# KiCad board testhologram v2.kicad_pcb (continued)
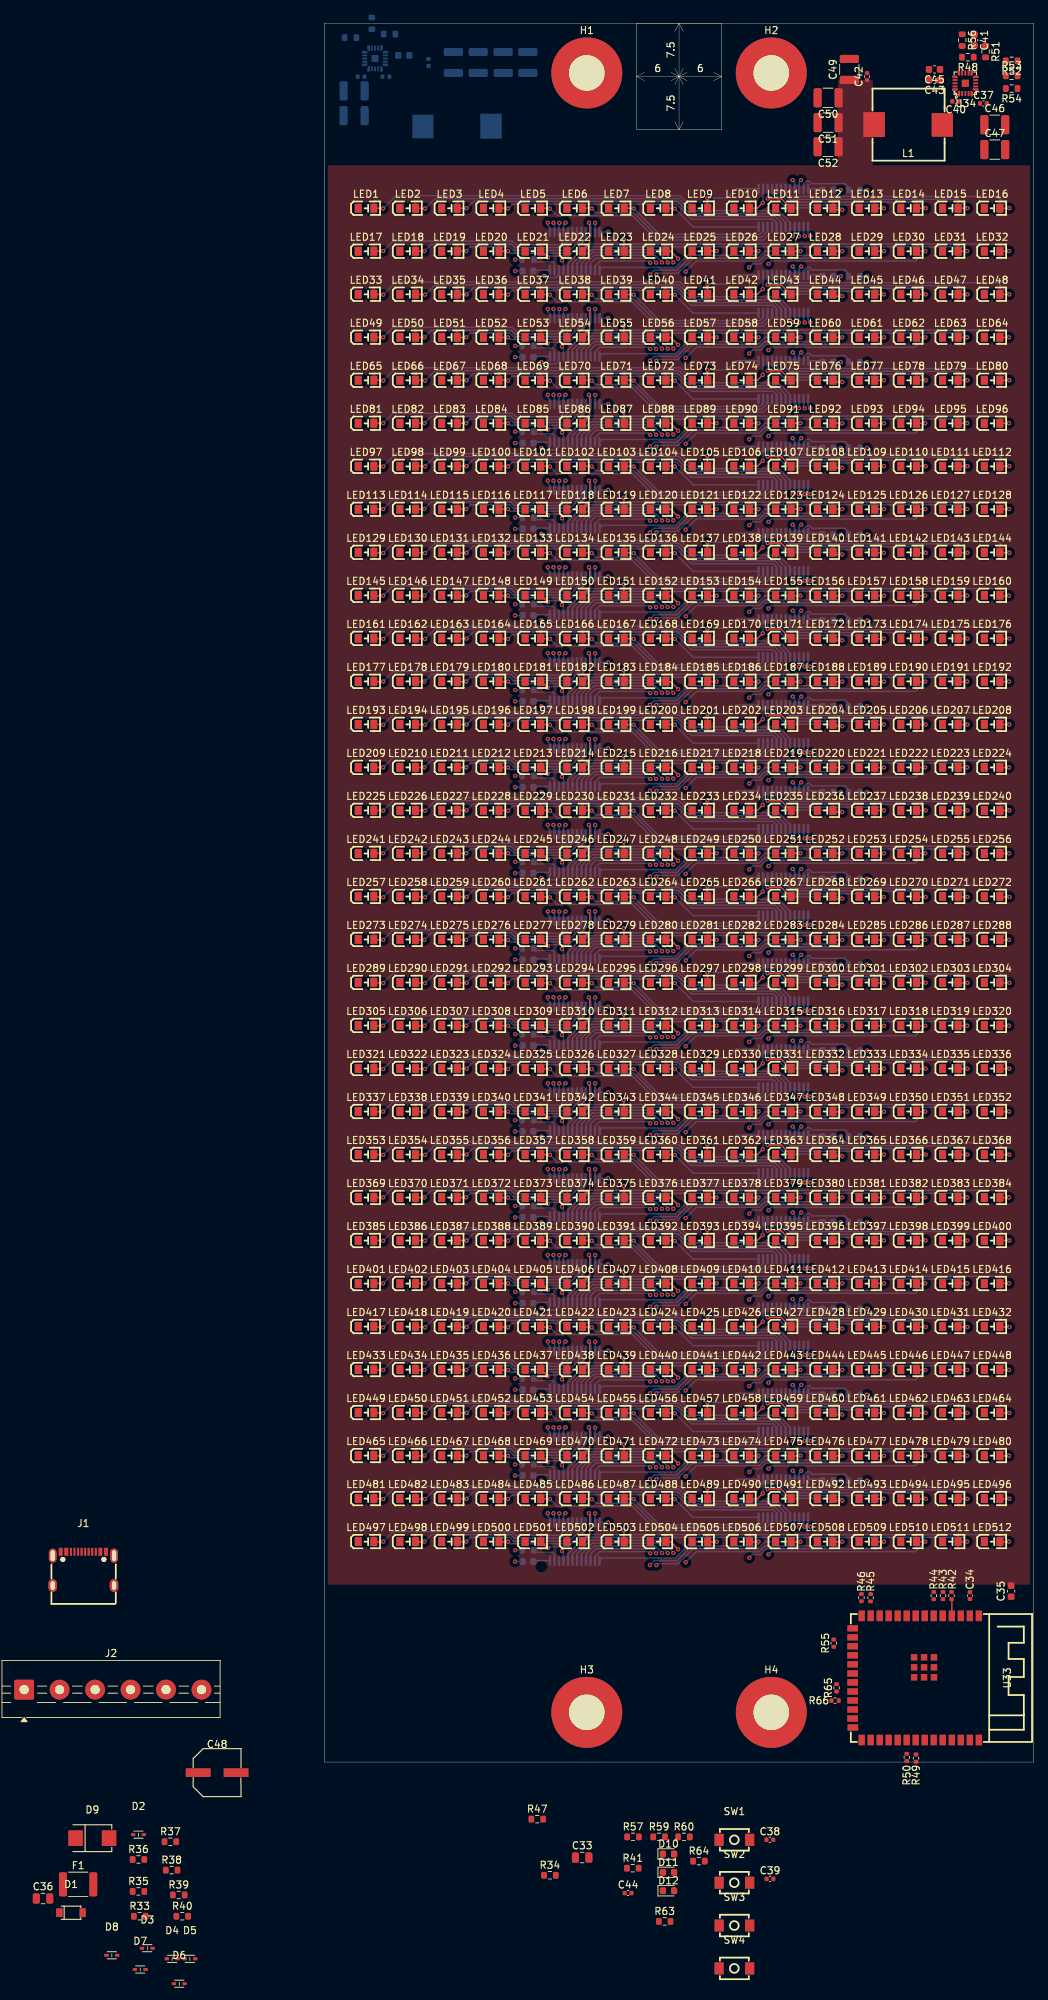
[diagram p0: board, top side]
## Routing (per net, layer and track width the routed paths; a pad name or vN(x,y) marks a point on that pad's centre or on a via; arc(x,y) is an arc through that point) (continued)
LE: length 45.8
  Bottom w0.2: U19.4 66.29,106.14 v1(66,105.85) ; v1(66,190.75) 66.29,191.04 U5.4 ; U18.4 33.71,119.56 v1(34,119.85) ; U32.4 33.71,34.76 v1(34,35.05) ; U9.4 66.29,166.74 v1(66,166.45) ; U13.4 66.29,142.54 v1(66,142.25) ; U7.4 66.29,178.94 v1(66,178.65) ; v1(34,168.35) 33.71,168.06 U10.4 ; U23.4 66.29,81.94 v1(66,81.65) ; U14.4 33.71,143.86 v1(34,144.15) ; U25.4 66.29,69.84 v1(66,69.55) ; v1(66,130.15) 66.29,130.44 U15.4 ; U30.4 33.71,46.86 v1(34,47.15) ; U12.4 33.71,155.96 v1(34,156.25) ; v1(66,215) 66.29,215.29 U1.4 ; v1(34,83.55) 33.71,83.26 U24.4 ; U8.4 33.71,180.26 v1(34,180.55) ; U31.4 66.29,33.44 v1(66,33.15) ; U3.4 66.29,203.14 v1(66,202.85) ; v1(66,45.25) 66.29,45.54 U29.4 ; v1(34,59.25) 33.71,58.96 U28.4 ; U6.4 33.71,192.36 v1(34,192.65) ; U21.4 66.29,94.04 v1(66,93.75) ; U11.4 66.29,154.64 v1(66,154.35) ; U26.4 33.71,71.16 v1(34,71.45) ; v1(34,216.9) 33.71,216.61 U2.4 ; v1(34,95.65) 33.71,95.36 U22.4 ; v1(66,57.35) 66.29,57.64 U27.4 ; U20.4 33.71,107.46 v1(34,107.75) ; U17.4 66.29,118.24 v1(66,117.95) ; v1(34,132.05) 33.71,131.76 U16.4 ; U4.4 33.71,204.46 v1(34,204.75)
NOT_OE: length 44.5
  Bottom w0.2: U20.21 33.71,102.24 v1(33.5,102.45) ; U7.21 66.29,186.27 v1(66.03,186.53) ; v1(66.03,198.63) 66.29,198.37 U5.21 ; U21.21 66.29,101.37 v1(66.03,101.63) ; U14.21 33.71,138.64 v1(33.5,138.85) ; v1(33.5,187.35) 33.71,187.14 U6.21 ; v1(33.5,199.45) 33.71,199.24 U4.21 ; U32.21 33.71,29.54 v1(33.5,29.75) ; v1(66.03,77.43) 66.29,77.17 U25.21 ; U10.21 33.71,162.84 v1(33.5,163.05) ; v1(33.5,211.6) 33.71,211.39 U2.21 ; U13.21 66.29,149.87 v1(66.03,150.13) ; U12.21 33.71,150.74 v1(33.5,150.95) ; v1(66.03,41.03) 66.29,40.77 U31.21 ; v1(33.5,78.25) 33.71,78.04 U24.21 ; v1(33.5,175.25) 33.71,175.04 U8.21 ; v1(66.03,210.73) 66.29,210.47 U3.21 ; U11.21 66.29,161.97 v1(66.03,162.23) ; U19.21 66.29,113.47 v1(66.03,113.73) ; v1(66,222.9) 66.2,222.9 66.29,222.81 U1.21 ; U28.21 33.71,53.74 v1(33.5,53.95) ; v1(66.03,174.33) 66.29,174.07 U9.21 ; v1(33.5,90.35) 33.71,90.14 U22.21 ; U17.21 66.29,125.57 v1(66.03,125.83) ; U29.21 66.29,52.87 v1(66.03,53.13) ; v1(33.5,66.15) 33.71,65.94 U26.21 ; U18.21 33.71,114.34 v1(33.5,114.55) ; v1(33.5,126.75) 33.71,126.54 U16.21 ; v1(66.03,65.23) 66.29,64.97 U27.21 ; v1(66.03,89.53) 66.29,89.27 U23.21 ; U30.21 33.71,41.64 v1(33.5,41.85) ; v1(66.03,138.03) 66.29,137.77 U15.21
SDI: length 1.4
  Bottom w0.2: v1(67.7,215) 67.56,215.14 U1.2
SDO-01: length 40.1
  In4.Cu w0.2: v1(32.3,216.9) 32.9,217.5 61.8,217.5 v1(67.2,222.9)
  Bottom w0.2: U2.2 32.44,216.76 v1(32.3,216.9) ; U1.22 66.9,221.71 66.9,222.6 v1(67.2,222.9)
SDO-02: length 43.8
  In1.Cu w0.2: v1(67.7,202.85) 67.7,202.9 64.45,206.15 34.25,206.15 v1(31,209.4)
  Bottom w0.2: v1(31,209.4) 31.24,209.16 32.64,209.16 33.08,209.6 U2.22 ; U3.2 67.56,202.99 v1(67.7,202.85)
SDO-03: length 40.2
  In4.Cu w0.2: v1(67.23,210.73) 67.16,210.8 67.16,210.66 61.85,205.35 32.9,205.35 v1(32.3,204.75)
  Bottom w0.2: U4.2 32.44,204.61 v1(32.3,204.75) ; U3.22 66.9,209.56 66.9,210.4 v1(67.23,210.73)
SDO-04: length 44.6
  In1.Cu w0.2: v1(30.6,197.25) 36.55,197.25 42.45,191.35 67.15,191.35 67.7,190.8 v1(67.7,190.75)
  Bottom w0.2: U5.2 67.56,190.89 v1(67.7,190.75) ; U4.22 33.08,197.45 32.64,197.01 30.84,197.01 v1(30.6,197.25)
SDO-05: length 40.2
  In4.Cu w0.2: v1(32.3,192.65) 32.9,193.25 61.85,193.25 67.16,198.56 67.16,198.7 v1(67.23,198.63)
  Bottom w0.2: U6.2 32.44,192.51 v1(32.3,192.65) ; v1(67.23,198.63) 66.9,198.3 66.9,197.46 U5.22
SDO-06: length 44.6
  In1.Cu w0.2: v1(30.6,185.15) 33.8,181.95 64.45,181.95 67.7,178.7 v1(67.7,178.65)
  Bottom w0.2: U6.22 33.08,185.35 32.64,184.91 30.84,184.91 v1(30.6,185.15) ; U7.2 67.56,178.79 v1(67.7,178.65)
SDO-07: length 40.2
  In4.Cu w0.2: v1(32.3,180.55) 32.9,181.15 61.85,181.15 67.16,186.46 67.16,186.6 v1(67.23,186.53)
  Bottom w0.2: U7.22 66.9,185.36 66.9,186.2 v1(67.23,186.53) ; v1(32.3,180.55) 32.44,180.41 U8.2
SDO-08: length 44.6
  In1.Cu w0.2: v1(67.7,166.45) 67.7,166.5 63.65,170.55 50.05,170.55 47.95,172.65 31,172.65 v1(30.6,173.05)
  Bottom w0.2: U9.2 67.56,166.59 v1(67.7,166.45) ; U8.22 33.08,173.25 32.64,172.81 30.84,172.81 v1(30.6,173.05)
SDO-09: length 40.2
  In4.Cu w0.2: v1(32.3,168.35) 32.9,168.95 61.85,168.95 67.16,174.26 67.16,174.4 v1(67.23,174.33)
  Bottom w0.2: v1(67.23,174.33) 66.9,174 66.9,173.16 U9.22 ; U10.2 32.44,168.21 v1(32.3,168.35)
SDO-10: length 45.5
  In1.Cu w0.2: v1(67.7,154.35) 67.7,156 66.87,156.83 37.93,156.83 33.9,160.85 v1(30.6,160.85)
  Bottom w0.2: U10.22 33.08,161.05 32.64,160.61 30.84,160.61 v1(30.6,160.85) ; U11.2 67.56,154.49 v1(67.7,154.35)
SDO-11: length 40.2
  In4.Cu w0.2: v1(32.3,156.25) 32.9,156.85 61.85,156.85 67.16,162.16 67.16,162.3 v1(67.23,162.23)
  Bottom w0.2: v1(67.23,162.23) 66.9,161.9 66.9,161.06 U11.22 ; U12.2 32.44,156.11 v1(32.3,156.25)
SDO-12: length 45.1
  In1.Cu w0.2: v1(67.7,142.25) 67.7,142.2 67.15,141.65 43.15,141.65 36.05,148.75 v1(30.6,148.75)
  Bottom w0.2: U12.22 33.08,148.95 32.64,148.51 30.84,148.51 v1(30.6,148.75) ; v1(67.7,142.25) 67.56,142.39 U13.2
SDO-13: length 40.2
  In4.Cu w0.2: v1(67.23,150.13) 67.16,150.2 67.16,150.06 61.85,144.75 32.9,144.75 v1(32.3,144.15)
  Bottom w0.2: v1(32.3,144.15) 32.44,144.01 U14.2 ; v1(67.23,150.13) 66.9,149.8 66.9,148.96 U13.22
SDO-14: length 45.1
  In1.Cu w0.2: v1(67.7,130.15) 67.7,130.1 67.15,129.55 43.15,129.55 36.05,136.65 v1(30.6,136.65)
  Bottom w0.2: v1(67.7,130.15) 67.56,130.29 U15.2 ; v1(30.6,136.65) 30.84,136.41 32.64,136.41 33.08,136.85 U14.22
SDO-15: length 40.2
  In4.Cu w0.2: v1(32.3,132.05) 32.9,132.65 61.85,132.65 67.16,137.96 67.16,138.1 v1(67.23,138.03)
  Bottom w0.2: U15.22 66.9,136.86 66.9,137.7 v1(67.23,138.03) ; U16.2 32.44,131.91 v1(32.3,132.05)
SDO-16: length 45
  In1.Cu w0.2: v1(67.7,117.95) 67.7,118.7 65.15,121.25 33.9,121.25 v1(30.6,124.55)
  Bottom w0.2: U17.2 67.56,118.09 v1(67.7,117.95) ; U16.22 33.08,124.75 32.64,124.31 30.84,124.31 v1(30.6,124.55)
SDO-17: length 40.2
  In4.Cu w0.2: v1(67.23,125.83) 67.16,125.9 67.16,125.76 61.85,120.45 32.9,120.45 v1(32.3,119.85)
  Bottom w0.2: U17.22 66.9,124.66 66.9,125.5 v1(67.23,125.83) ; U18.2 32.44,119.71 v1(32.3,119.85)
SDO-18: length 44.6
  In1.Cu w0.2: v1(30.6,112.35) 33.9,112.35 37.93,108.33 65.27,108.33 67.7,105.9 v1(67.7,105.85)
  Bottom w0.2: U18.22 33.08,112.55 32.64,112.11 30.84,112.11 v1(30.6,112.35) ; U19.2 67.56,105.99 v1(67.7,105.85)
SDO-19: length 40.2
  In4.Cu w0.2: v1(32.3,107.75) 32.9,108.35 61.85,108.35 67.16,113.66 67.16,113.8 v1(67.23,113.73)
  Bottom w0.2: v1(67.23,113.73) 66.9,113.4 66.9,112.56 U19.22 ; U20.2 32.44,107.61 v1(32.3,107.75)
SDO-20: length 44.6
  In1.Cu w0.2: v1(30.6,100.25) 31,99.85 59.55,99.85 65,94.4 67.1,94.4 67.7,93.8 v1(67.7,93.75)
  Bottom w0.2: U21.2 67.56,93.89 v1(67.7,93.75) ; v1(30.6,100.25) 30.84,100.01 32.64,100.01 33.08,100.45 U20.22
SDO-21: length 40.2
  In4.Cu w0.2: v1(67.23,101.63) 67.16,101.7 67.16,101.56 61.85,96.25 32.9,96.25 v1(32.3,95.65)
  Bottom w0.2: U22.2 32.44,95.51 v1(32.3,95.65) ; v1(67.23,101.63) 66.9,101.3 66.9,100.46 U21.22
SDO-22: length 44.6
  In1.Cu w0.2: v1(67.7,81.65) 67.7,81.7 64.45,84.95 33.8,84.95 v1(30.6,88.15)
  Bottom w0.2: v1(67.7,81.65) 67.56,81.79 U23.2 ; U22.22 33.08,88.35 32.64,87.91 30.84,87.91 v1(30.6,88.15)
SDO-23: length 40.2
  In4.Cu w0.2: v1(32.3,83.55) 32.9,84.15 61.85,84.15 67.16,89.46 67.16,89.6 v1(67.23,89.53)
  Bottom w0.2: U23.22 66.9,88.36 66.9,89.2 v1(67.23,89.53) ; U24.2 32.44,83.41 v1(32.3,83.55)
SDO-24: length 44.6
  In1.Cu w0.2: v1(30.6,76.05) 33.9,76.05 37.93,72.03 65.37,72.03 67.7,69.7 v1(67.7,69.55)
  Bottom w0.2: U25.2 67.56,69.69 v1(67.7,69.55) ; v1(30.6,76.05) 30.84,75.81 32.64,75.81 33.08,76.25 U24.22
SDO-25: length 40.2
  In4.Cu w0.2: v1(67.23,77.43) 67.16,77.5 67.16,77.36 61.85,72.05 32.9,72.05 v1(32.3,71.45)
  Bottom w0.2: U25.22 66.9,76.26 66.9,77.1 v1(67.23,77.43) ; v1(32.3,71.45) 32.44,71.31 U26.2
SDO-26: length 44.6
  In1.Cu w0.2: v1(67.7,57.35) 67.7,57.4 65.27,59.83 37.93,59.83 33.8,63.95 v1(30.6,63.95)
  Bottom w0.2: U26.22 33.08,64.15 32.64,63.71 30.84,63.71 v1(30.6,63.95) ; U27.2 67.56,57.49 v1(67.7,57.35)
SDO-27: length 40.2
  In4.Cu w0.2: v1(32.3,59.25) 32.9,59.85 61.85,59.85 67.16,65.16 67.16,65.3 v1(67.23,65.23)
  Bottom w0.2: v1(67.23,65.23) 66.9,64.9 66.9,64.06 U27.22 ; U28.2 32.44,59.11 v1(32.3,59.25)
SDO-28: length 4.7
  Bottom w0.2: v1(67.7,45.25) 67.56,45.39 U29.2 ; v1(30.6,51.75) 30.84,51.51 32.64,51.51 33.08,51.95 U28.22
SDO-29: length 40.2
  In4.Cu w0.2: v1(67.23,53.13) 67.16,53.2 67.16,53.06 61.85,47.75 32.9,47.75 v1(32.3,47.15)
  Bottom w0.2: U30.2 32.44,47.01 v1(32.3,47.15) ; v1(67.23,53.13) 66.9,52.8 66.9,51.96 U29.22
SDO-30: length 44.6
  In1.Cu w0.2: v1(67.7,33.15) 67.7,33.2 65.27,35.63 37.93,35.63 33.9,39.65 v1(30.6,39.65)
  Bottom w0.2: v1(30.6,39.65) 30.84,39.41 32.64,39.41 33.08,39.85 U30.22 ; U31.2 67.56,33.29 v1(67.7,33.15)
SDO-31: length 40.2
  In4.Cu w0.2: v1(32.3,35.05) 32.9,35.65 61.85,35.65 67.16,40.96 67.16,41.1 v1(67.23,41.03)
  Bottom w0.2: v1(32.3,35.05) 32.44,34.91 U32.2 ; v1(67.23,41.03) 66.9,40.7 66.9,39.86 U31.22
Net-(LED1-K): length 61.7
  Top w0.2: 6.93,218.94 8.26,218.94 v1(8.3,218.9)
  Bottom w0.2: v1(8.3,218.9) 10.1,220.7 50.15,220.7 52.25,218.6 63.98,218.6 65.65,216.93 U1.5
Net-(LED2-K): length 54.8
  Top w0.2: 12.81,218.94 14.16,218.94 v1(14.2,218.9)
  Bottom w0.2: v1(14.2,218.9) 15.6,220.3 49.98,220.3 52.09,218.2 63.74,218.2 65.02,216.92 U1.6
Net-(LED3-K): length 47.9
  Top w0.2: v1(20.06,218.94) 18.7,218.94
  Bottom w0.2: v1(20.06,218.94) 21.02,219.9 49.82,219.9 51.92,217.8 63.51,217.8 64.38,216.93 U1.7
Net-(LED4-K): length 41.1
  Top w0.2: 24.58,218.94 25.86,218.94 v1(25.9,218.9)
  Bottom w0.2: v1(25.9,218.9) 26.5,219.5 49.65,219.5 51.75,217.4 63.27,217.4 63.75,216.92 U1.8
Net-(LED5-K): length 35.6
  Top w0.2: 30.46,218.94 31.76,218.94 v1(31.8,218.9)
  Bottom w0.2: U1.9 63.11,215.69 61.88,214.46 46.84,214.46 43.4,217.9 32.8,217.9 v1(31.8,218.9)
Net-(LED6-K): length 28.8
  Top w0.2: v1(37.7,218.9) 37.66,218.94 36.34,218.94
  Bottom w0.2: v1(37.7,218.9) 38.3,218.3 43.63,218.3 47.07,214.86 61.64,214.86 62.48,215.7 U1.10
Net-(LED7-K): length 21.9
  Top w0.2: 42.23,218.94 43.56,218.94 v1(43.6,218.9)
  Bottom w0.2: U1.11 61.84,215.69 61.41,215.26 47.24,215.26 v1(43.6,218.9)
Net-(LED8-K): length 14.2
  Top w0.2: 48.11,218.94 49.36,218.94 v1(49.4,218.9)
  Bottom w0.2: U1.12 51.99,216.31 v1(49.4,218.9)
Net-(LED9-K): length 9.2
  Top w0.2: v1(54,220.4) 54,218.95 53.99,218.94
  Bottom w0.2: U1.13 58.09,221.69 56.8,220.4 v1(54,220.4)
Net-(LED10-K): length 4.2
  Top w0.2: 59.87,218.94 61.04,218.94 v1(61.8,219.7)
  Bottom w0.2: U1.14 61.84,219.84 61.8,219.8 v1(61.8,219.7)
Net-(LED11-K): length 5.2
  Top w0.2: v1(62.5,220.3) 64.4,220.3 65.76,218.94
  Bottom w0.2: U1.15 62.5,221.67 v1(62.5,220.3)
Net-(LED12-K): length 13.1
  Top w0.2: v1(73,218.7) 71.88,218.7 71.64,218.94
  Bottom w0.2: v1(73,218.7) 73,218.9 72.9,219 65.09,219 63.11,220.97 U1.16
Net-(LED13-K): length 18.1
  Top w0.2: v1(78.86,218.94) 77.52,218.94
  Bottom w0.2: U1.17 63.75,220.9 65.25,219.4 78.4,219.4 v1(78.86,218.94)
Net-(LED14-K): length 23.4
  Top w0.2: v1(84.76,218.94) 83.4,218.94
  Bottom w0.2: v1(84.76,218.94) 83.9,219.8 65.42,219.8 64.38,220.84 U1.18
Net-(LED15-K): length 28.7
  Top w0.2: v1(90.64,218.94) 89.29,218.94
  Bottom w0.2: U1.19 65.02,220.76 65.58,220.2 89.38,220.2 v1(90.64,218.94)
Net-(LED16-K): length 34
  Top w0.2: v1(96.56,218.94) 95.17,218.94
  Bottom w0.2: U1.20 65.65,220.7 65.75,220.6 94.9,220.6 v1(96.56,218.94)
Net-(LED17-K): length 29.3
  Top w0.2: 6.93,212.88 8.28,212.88 v1(8.3,212.9)
  Bottom w0.2: U2.5 34.35,214.95 33.2,213.8 26.98,213.8 26.48,214.3 9.7,214.3 v1(8.3,212.9)
Net-(LED18-K): length 24.1
  Top w0.2: 12.81,212.88 14.08,212.88 v1(14.1,212.9)
  Bottom w0.2: v1(14.1,212.9) 15.1,213.9 25.48,213.9 25.48,213.9 26.32,213.9 26.82,213.4 33.41,213.4 34.98,214.97 U2.6
Net-(LED19-K): length 18.8
  Top w0.2: 18.7,212.88 19.98,212.88 v1(20,212.9)
  Bottom w0.2: v1(20,212.9) 20.6,213.5 25.65,213.5 25.65,213.5 26.15,213.5 26.65,213 33.64,213 35.62,214.98 U2.7
Net-(LED20-K): length 13.6
  Top w0.2: v1(25.9,212.9) 25.88,212.88 24.58,212.88
  Bottom w0.2: v1(25.9,212.9) 26.2,212.6 34.21,212.6 36.25,214.64 U2.8
Net-(LED21-K): length 8.8
  Top w0.2: 30.46,212.88 30.62,212.88 v1(31.5,212)
  Bottom w0.2: U2.9 36.89,214.64 34.45,212.2 31.7,212.2 v1(31.5,212)
Net-(LED22-K): length 5.9
  Top w0.2: v1(37.3,216.9) 37.4,216.8 37.4,213.93 36.34,212.88
  Bottom w0.2: U2.10 37.52,216.68 v1(37.3,216.9)
Net-(LED23-K): length 8.2
  Top w0.2: v1(42.2,214.5) 42.23,214.47 42.23,212.88
  In4.Cu w0.2: v1(42.2,214.5) 40.2,214.5 38.18,216.52 v1(38.18,216.88)
  Bottom w0.2: v1(38.18,216.88) 38.2,216.85 38.2,215.63 U2.11
Net-(LED24-K): length 14.9
  Top w0.2: v1(49.88,211.82) 48.82,212.88 48.11,212.88
  In4.Cu w0.2: v1(40,215.6) 46.1,215.6 v1(49.88,211.82)
  Bottom w0.2: U2.12 38.8,215.6 v1(40,215.6)
Net-(LED25-K): length 18.9
  Top w0.2: v1(55.3,212.9) 55.28,212.88 53.99,212.88
  Bottom w0.2: U2.13 39.18,210.6 46.53,210.6 46.53,210.6 47.03,210.6 47.03,210.6 49.5,210.6 51.8,212.9 v1(55.3,212.9)
Net-(LED26-K): length 28.6
  Top w0.2: 59.87,212.88 61.18,212.88 v1(61.2,212.9)
  In4.Cu w0.2: v1(45.94,211.26) 45.9,211.22 v1(45.9,209.6)
  Bottom w0.2: v1(45.9,209.6) 46.5,210.2 49.7,210.2 51.8,212.3 60.9,212.3 61.2,212.6 v1(61.2,212.9) ; U2.14 38.16,210.83 38.83,211.5 45.71,211.5 v1(45.94,211.26)
Net-(LED27-K): length 35.5
  Top w0.2: 65.76,212.88 67.08,212.88 v1(67.1,212.9)
  In4.Cu w0.2: v1(46.8,209.6) 46.8,211.25 v1(46.78,211.28)
  Bottom w0.2: U2.15 37.52,211.16 38.26,211.9 46.15,211.9 v1(46.78,211.28) ; v1(46.8,209.6) 46.98,209.78 49.87,209.78 51.97,211.88 51.97,211.9 61.1,211.9 62.1,212.9 v1(67.1,212.9)
Net-(LED28-K): length 41.1
  Top w0.2: v1(73,212.9) 72.98,212.88 71.64,212.88
  In4.Cu w0.2: v1(47.6,211.3) 47.6,211.2 48.8,210 v1(50.93,210)
  Bottom w0.2: U2.16 36.89,211.16 38.03,212.3 46.6,212.3 v1(47.6,211.3) ; v1(73,212.9) 72.4,212.3 62.1,212.3 61.3,211.5 52.43,211.5 v1(50.93,210)
Net-(LED29-K): length 47.5
  Top w0.2: v1(78.9,212.9) 78.88,212.88 77.52,212.88
  In4.Cu w0.2: v1(48.4,211.3) 48.4,211.25 48.97,210.68 59.85,210.68 v1(59.9,210.62)
  Bottom w0.2: v1(48.4,211.3) 48.42,211.32 48.42,211.38 47.1,212.7 37.79,212.7 36.25,211.16 U2.17 ; v1(59.9,210.62) 60.38,211.1 61.5,211.1 62.3,211.9 77.9,211.9 v1(78.9,212.9)
Net-(LED30-K): length 53.8
  Top w0.2: 83.4,212.88 84.68,212.88 v1(84.7,212.9)
  In4.Cu w0.2: v1(49.2,211.3) 49.28,211.22 62.48,211.22 v1(62.6,211.1)
  Bottom w0.2: v1(49.2,211.3) 49.2,211.4 47.5,213.1 37.56,213.1 35.62,211.16 U2.18 ; v1(84.7,212.9) 83.3,211.5 63,211.5 v1(62.6,211.1)
Net-(LED31-K): length 59.1
  Top w0.2: v1(90.6,212.9) 90.58,212.88 89.29,212.88
  Bottom w0.2: U2.19 34.98,211.16 37.32,213.5 90,213.5 v1(90.6,212.9)
Net-(LED32-K): length 66
  Top w0.2: 95.17,212.88 96.48,212.88 v1(96.5,212.9)
  Bottom w0.2: v1(96.5,212.9) 95.5,213.9 37.09,213.9 34.35,211.16 U2.20
Net-(LED33-K): length 61.7
  Top w0.2: 6.93,206.79 8.26,206.79 v1(8.3,206.75)
  Bottom w0.2: v1(8.3,206.75) 10.1,208.55 50.15,208.55 52.25,206.45 63.98,206.45 65.65,204.78 U3.5
Net-(LED34-K): length 54.8
  Top w0.2: v1(14.2,206.75) 14.16,206.79 12.81,206.79
  Bottom w0.2: U3.6 65.02,204.77 63.74,206.05 52.09,206.05 49.98,208.15 15.6,208.15 v1(14.2,206.75)
Net-(LED35-K): length 47.9
  Top w0.2: v1(20.06,206.79) 18.7,206.79
  Bottom w0.2: U3.7 64.38,204.78 63.51,205.65 51.92,205.65 49.82,207.75 21.02,207.75 v1(20.06,206.79)
Net-(LED36-K): length 41.1
  Top w0.2: 24.58,206.79 25.86,206.79 v1(25.9,206.75)
  Bottom w0.2: v1(25.9,206.75) 26.5,207.35 49.65,207.35 51.75,205.25 63.27,205.25 63.75,204.77 U3.8
Net-(LED37-K): length 35.6
  Top w0.2: 30.46,206.79 31.76,206.79 v1(31.8,206.75)
  Bottom w0.2: v1(31.8,206.75) 32.8,205.75 43.4,205.75 46.84,202.31 61.88,202.31 63.11,203.54 U3.9
Net-(LED38-K): length 28.8
  Top w0.2: v1(37.7,206.75) 37.66,206.79 36.34,206.79
  Bottom w0.2: v1(37.7,206.75) 38.3,206.15 43.63,206.15 47.07,202.71 61.64,202.71 62.48,203.55 U3.10
Net-(LED39-K): length 21.9
  Top w0.2: v1(43.6,206.75) 43.56,206.79 42.23,206.79
  Bottom w0.2: v1(43.6,206.75) 47.24,203.11 61.41,203.11 61.84,203.54 U3.11
Net-(LED40-K): length 14.2
  Top w0.2: v1(49.4,206.75) 49.36,206.79 48.11,206.79
  Bottom w0.2: v1(49.4,206.75) 51.99,204.16 U3.12
Net-(LED41-K): length 9.2
  Top w0.2: v1(54,208.25) 54,206.8 53.99,206.79
  Bottom w0.2: v1(54,208.25) 56.8,208.25 58.09,209.54 U3.13
Net-(LED42-K): length 4.2
  Top w0.2: 59.87,206.79 61.04,206.79 v1(61.8,207.55)
  Bottom w0.2: U3.14 61.84,207.69 61.8,207.65 v1(61.8,207.55)
Net-(LED43-K): length 5.9
  Top w0.2: v1(62.5,208.15) 64.4,208.15 65.76,206.79
  Bottom w0.2: 62.48,208.87 U3.15 62.5,209.52 v1(62.5,208.15)
Net-(LED44-K): length 13.1
  Top w0.2: 71.64,206.79 71.88,206.55 v1(73,206.55)
  Bottom w0.2: U3.16 63.11,208.82 65.09,206.85 72.9,206.85 73,206.75 v1(73,206.55)
Net-(LED45-K): length 18.1
  Top w0.2: v1(78.86,206.79) 77.52,206.79
  Bottom w0.2: v1(78.86,206.79) 78.4,207.25 65.25,207.25 63.75,208.75 U3.17
Net-(LED46-K): length 23.4
  Top w0.2: v1(84.76,206.79) 83.4,206.79
  Bottom w0.2: U3.18 64.38,208.69 65.42,207.65 83.9,207.65 v1(84.76,206.79)
Net-(LED47-K): length 28.7
  Top w0.2: v1(90.64,206.79) 89.29,206.79
  Bottom w0.2: v1(90.64,206.79) 89.38,208.05 65.58,208.05 65.02,208.61 U3.19
Net-(LED48-K): length 34
  Top w0.2: v1(96.56,206.79) 95.17,206.79
  Bottom w0.2: v1(96.56,206.79) 94.9,208.45 65.75,208.45 65.65,208.55 U3.20
Net-(LED49-K): length 29.3
  Top w0.2: v1(8.3,200.75) 8.28,200.73 6.93,200.73
  Bottom w0.2: v1(8.3,200.75) 9.7,202.15 26.48,202.15 26.98,201.65 33.2,201.65 34.35,202.8 U4.5
Net-(LED50-K): length 24.1
  Top w0.2: v1(14.1,200.75) 14.08,200.73 12.81,200.73
  Bottom w0.2: U4.6 34.98,202.82 33.41,201.25 26.82,201.25 26.32,201.75 25.48,201.75 25.48,201.75 15.1,201.75 v1(14.1,200.75)
Net-(LED51-K): length 18.8
  Top w0.2: 18.7,200.73 19.98,200.73 v1(20,200.75)
  Bottom w0.2: v1(20,200.75) 20.6,201.35 25.65,201.35 25.65,201.35 26.15,201.35 26.65,200.85 33.64,200.85 35.62,202.83 U4.7
Net-(LED52-K): length 13.6
  Top w0.2: v1(25.9,200.75) 25.88,200.73 24.58,200.73
  Bottom w0.2: U4.8 36.25,202.49 34.21,200.45 26.2,200.45 v1(25.9,200.75)
Net-(LED53-K): length 8.8
  Top w0.2: 30.46,200.73 30.62,200.73 v1(31.5,199.85)
  Bottom w0.2: U4.9 36.89,202.49 34.45,200.05 31.7,200.05 v1(31.5,199.85)
Net-(LED54-K): length 5.9
  Top w0.2: 36.34,200.73 37.4,201.79 37.4,204.65 v1(37.3,204.75)
  Bottom w0.2: v1(37.3,204.75) 37.52,204.53 U4.10
Net-(LED55-K): length 8.2
  Top w0.2: v1(42.2,202.35) 42.23,202.33 42.23,200.73
  In4.Cu w0.2: v1(38.18,204.73) 38.18,204.38 40.2,202.35 v1(42.2,202.35)
  Bottom w0.2: v1(38.18,204.73) 38.2,204.7 38.2,203.48 U4.11
Net-(LED56-K): length 14.9
  Top w0.2: 48.11,200.73 48.82,200.73 v1(49.88,199.68)
  In4.Cu w0.2: v1(49.88,199.68) 46.1,203.45 v1(40,203.45)
  Bottom w0.2: U4.12 38.8,203.45 v1(40,203.45)
Net-(LED57-K): length 18.9
  Top w0.2: 53.99,200.73 55.28,200.73 v1(55.3,200.75)
  Bottom w0.2: U4.13 39.18,198.45 46.53,198.45 46.53,198.45 47.03,198.45 47.03,198.45 49.5,198.45 51.8,200.75 v1(55.3,200.75)
Net-(LED58-K): length 28.6
  Top w0.2: 59.87,200.73 61.18,200.73 v1(61.2,200.75)
  In4.Cu w0.2: v1(45.94,199.12) 45.9,199.08 v1(45.9,197.45)
  Bottom w0.2: U4.14 38.16,198.68 38.83,199.35 45.71,199.35 v1(45.94,199.12) ; v1(61.2,200.75) 61.2,200.45 60.9,200.15 51.8,200.15 49.7,198.05 46.5,198.05 v1(45.9,197.45)
Net-(LED59-K): length 35.5
  Top w0.2: v1(67.1,200.75) 67.08,200.73 65.76,200.73
  In4.Cu w0.2: v1(46.78,199.13) 46.8,199.1 v1(46.8,197.45)
  Bottom w0.2: U4.15 37.52,199.01 38.26,199.75 46.15,199.75 v1(46.78,199.13) ; v1(46.8,197.45) 46.98,197.63 49.87,197.63 51.97,199.73 51.97,199.75 61.1,199.75 62.1,200.75 v1(67.1,200.75)
Net-(LED60-K): length 41.1
  Top w0.2: 71.64,200.73 72.98,200.73 v1(73,200.75)
  In4.Cu w0.2: v1(50.93,197.85) 48.8,197.85 47.6,199.05 v1(47.6,199.15)
  Bottom w0.2: v1(50.93,197.85) 52.43,199.35 61.3,199.35 62.1,200.15 72.4,200.15 v1(73,200.75) ; v1(47.6,199.15) 46.6,200.15 38.03,200.15 36.89,199.01 U4.16
Net-(LED61-K): length 47.5
  Top w0.2: v1(78.9,200.75) 78.88,200.73 77.52,200.73
  In4.Cu w0.2: v1(59.9,198.48) 59.85,198.53 48.97,198.53 48.4,199.1 v1(48.4,199.15)
  Bottom w0.2: v1(59.9,198.48) 60.38,198.95 61.5,198.95 62.3,199.75 77.9,199.75 v1(78.9,200.75) ; v1(48.4,199.15) 48.42,199.18 48.42,199.23 47.1,200.55 37.79,200.55 36.25,199.01 U4.17
Net-(LED62-K): length 53.8
  Top w0.2: v1(84.7,200.75) 84.68,200.73 83.4,200.73
  In4.Cu w0.2: v1(62.6,198.95) 62.48,199.08 49.28,199.08 v1(49.2,199.15)
  Bottom w0.2: U4.18 35.62,199.01 37.56,200.95 47.5,200.95 49.2,199.25 v1(49.2,199.15) ; v1(84.7,200.75) 83.3,199.35 63,199.35 v1(62.6,198.95)
Net-(LED63-K): length 59.1
  Top w0.2: v1(90.6,200.75) 90.58,200.73 89.29,200.73
  Bottom w0.2: v1(90.6,200.75) 90,201.35 37.32,201.35 34.98,199.01 U4.19
Net-(LED64-K): length 66
  Top w0.2: 95.17,200.73 96.48,200.73 v1(96.5,200.75)
  Bottom w0.2: U4.20 34.35,199.01 37.09,201.75 95.5,201.75 v1(96.5,200.75)
Net-(LED65-K): length 61.7
  Top w0.2: v1(8.3,194.65) 8.26,194.69 6.93,194.69
  Bottom w0.2: v1(8.3,194.65) 10.1,196.45 50.15,196.45 52.25,194.35 63.98,194.35 65.65,192.68 U5.5
Net-(LED66-K): length 54.8
  Top w0.2: 12.81,194.69 14.16,194.69 v1(14.2,194.65)
  Bottom w0.2: v1(14.2,194.65) 15.6,196.05 49.98,196.05 52.09,193.95 63.74,193.95 65.02,192.67 U5.6
Net-(LED67-K): length 47.9
  Top w0.2: v1(20.06,194.69) 18.7,194.69
  Bottom w0.2: U5.7 64.38,192.68 63.51,193.55 51.92,193.55 49.82,195.65 21.02,195.65 v1(20.06,194.69)
Net-(LED68-K): length 41.1
  Top w0.2: v1(25.9,194.65) 25.86,194.69 24.58,194.69
  Bottom w0.2: v1(25.9,194.65) 26.5,195.25 49.65,195.25 51.75,193.15 63.27,193.15 63.75,192.67 U5.8
Net-(LED69-K): length 35.6
  Top w0.2: 30.46,194.69 31.76,194.69 v1(31.8,194.65)
  Bottom w0.2: U5.9 63.11,191.44 61.88,190.21 46.84,190.21 43.4,193.65 32.8,193.65 v1(31.8,194.65)
Net-(LED70-K): length 28.8
  Top w0.2: 36.34,194.69 37.66,194.69 v1(37.7,194.65)
  Bottom w0.2: v1(37.7,194.65) 38.3,194.05 43.63,194.05 47.07,190.61 61.64,190.61 62.48,191.45 U5.10
Net-(LED71-K): length 21.9
  Top w0.2: v1(43.6,194.65) 43.56,194.69 42.23,194.69
  Bottom w0.2: U5.11 61.84,191.44 61.41,191.01 47.24,191.01 v1(43.6,194.65)
Net-(LED72-K): length 14.2
  Top w0.2: 48.11,194.69 49.36,194.69 v1(49.4,194.65)
  Bottom w0.2: v1(49.4,194.65) 51.99,192.06 U5.12
Net-(LED73-K): length 9.2
  Top w0.2: v1(54,196.15) 54,194.7 53.99,194.69
  Bottom w0.2: U5.13 58.09,197.44 56.8,196.15 v1(54,196.15)
Net-(LED74-K): length 4.2
  Top w0.2: 59.87,194.69 61.04,194.69 v1(61.8,195.45)
  Bottom w0.2: v1(61.8,195.45) 61.8,195.55 61.84,195.59 U5.14
Net-(LED75-K): length 5.9
  Top w0.2: v1(62.5,196.05) 64.4,196.05 65.76,194.69
  Bottom w0.2: v1(62.5,196.05) 62.5,197.42 U5.15 62.48,196.77
Net-(LED76-K): length 13.1
  Top w0.2: 71.64,194.69 71.88,194.45 v1(73,194.45)
  Bottom w0.2: U5.16 63.11,196.72 65.09,194.75 72.9,194.75 73,194.65 v1(73,194.45)
Net-(LED77-K): length 18.1
  Top w0.2: v1(78.86,194.69) 77.52,194.69
  Bottom w0.2: v1(78.86,194.69) 78.4,195.15 65.25,195.15 63.75,196.65 U5.17
Net-(LED78-K): length 23.4
  Top w0.2: v1(84.76,194.69) 83.4,194.69
  Bottom w0.2: v1(84.76,194.69) 83.9,195.55 65.42,195.55 64.38,196.59 U5.18
Net-(LED79-K): length 28.7
  Top w0.2: v1(90.64,194.69) 89.29,194.69
  Bottom w0.2: U5.19 65.02,196.51 65.58,195.95 89.38,195.95 v1(90.64,194.69)
Net-(LED80-K): length 34
  Top w0.2: v1(96.56,194.69) 95.17,194.69
  Bottom w0.2: v1(96.56,194.69) 94.9,196.35 65.75,196.35 65.65,196.45 U5.20
Net-(LED81-K): length 29.3
  Top w0.2: v1(8.3,188.65) 8.28,188.63 6.93,188.63
  Bottom w0.2: U6.5 34.35,190.7 33.2,189.55 26.98,189.55 26.48,190.05 9.7,190.05 v1(8.3,188.65)
Net-(LED82-K): length 24.1
  Top w0.2: v1(14.1,188.65) 14.08,188.63 12.81,188.63
  Bottom w0.2: U6.6 34.98,190.72 33.41,189.15 26.82,189.15 26.32,189.65 25.48,189.65 25.48,189.65 15.1,189.65 v1(14.1,188.65)
Net-(LED83-K): length 18.8
  Top w0.2: v1(20,188.65) 19.98,188.63 18.7,188.63
  Bottom w0.2: U6.7 35.62,190.73 33.64,188.75 26.65,188.75 26.15,189.25 25.65,189.25 25.65,189.25 20.6,189.25 v1(20,188.65)
Net-(LED84-K): length 13.6
  Top w0.2: 24.58,188.63 25.88,188.63 v1(25.9,188.65)
  Bottom w0.2: U6.8 36.25,190.39 34.21,188.35 26.2,188.35 v1(25.9,188.65)
